# Altium PCB Discharge_B5.PcbDoc (part 1 of 2)
Units mm, origin at the board's own origin, x right, y up, seen from the top; angles counter-clockwise.
Board outline 173.11 x 82.3 mm, 4 copper layers (Top Layer, GND, PWR, Bottom Layer), stack 1.369 mm thick; 172 components, 113 nets, 558 pads, 339 vias.
Unrouted connection lines stored in the file: 8.
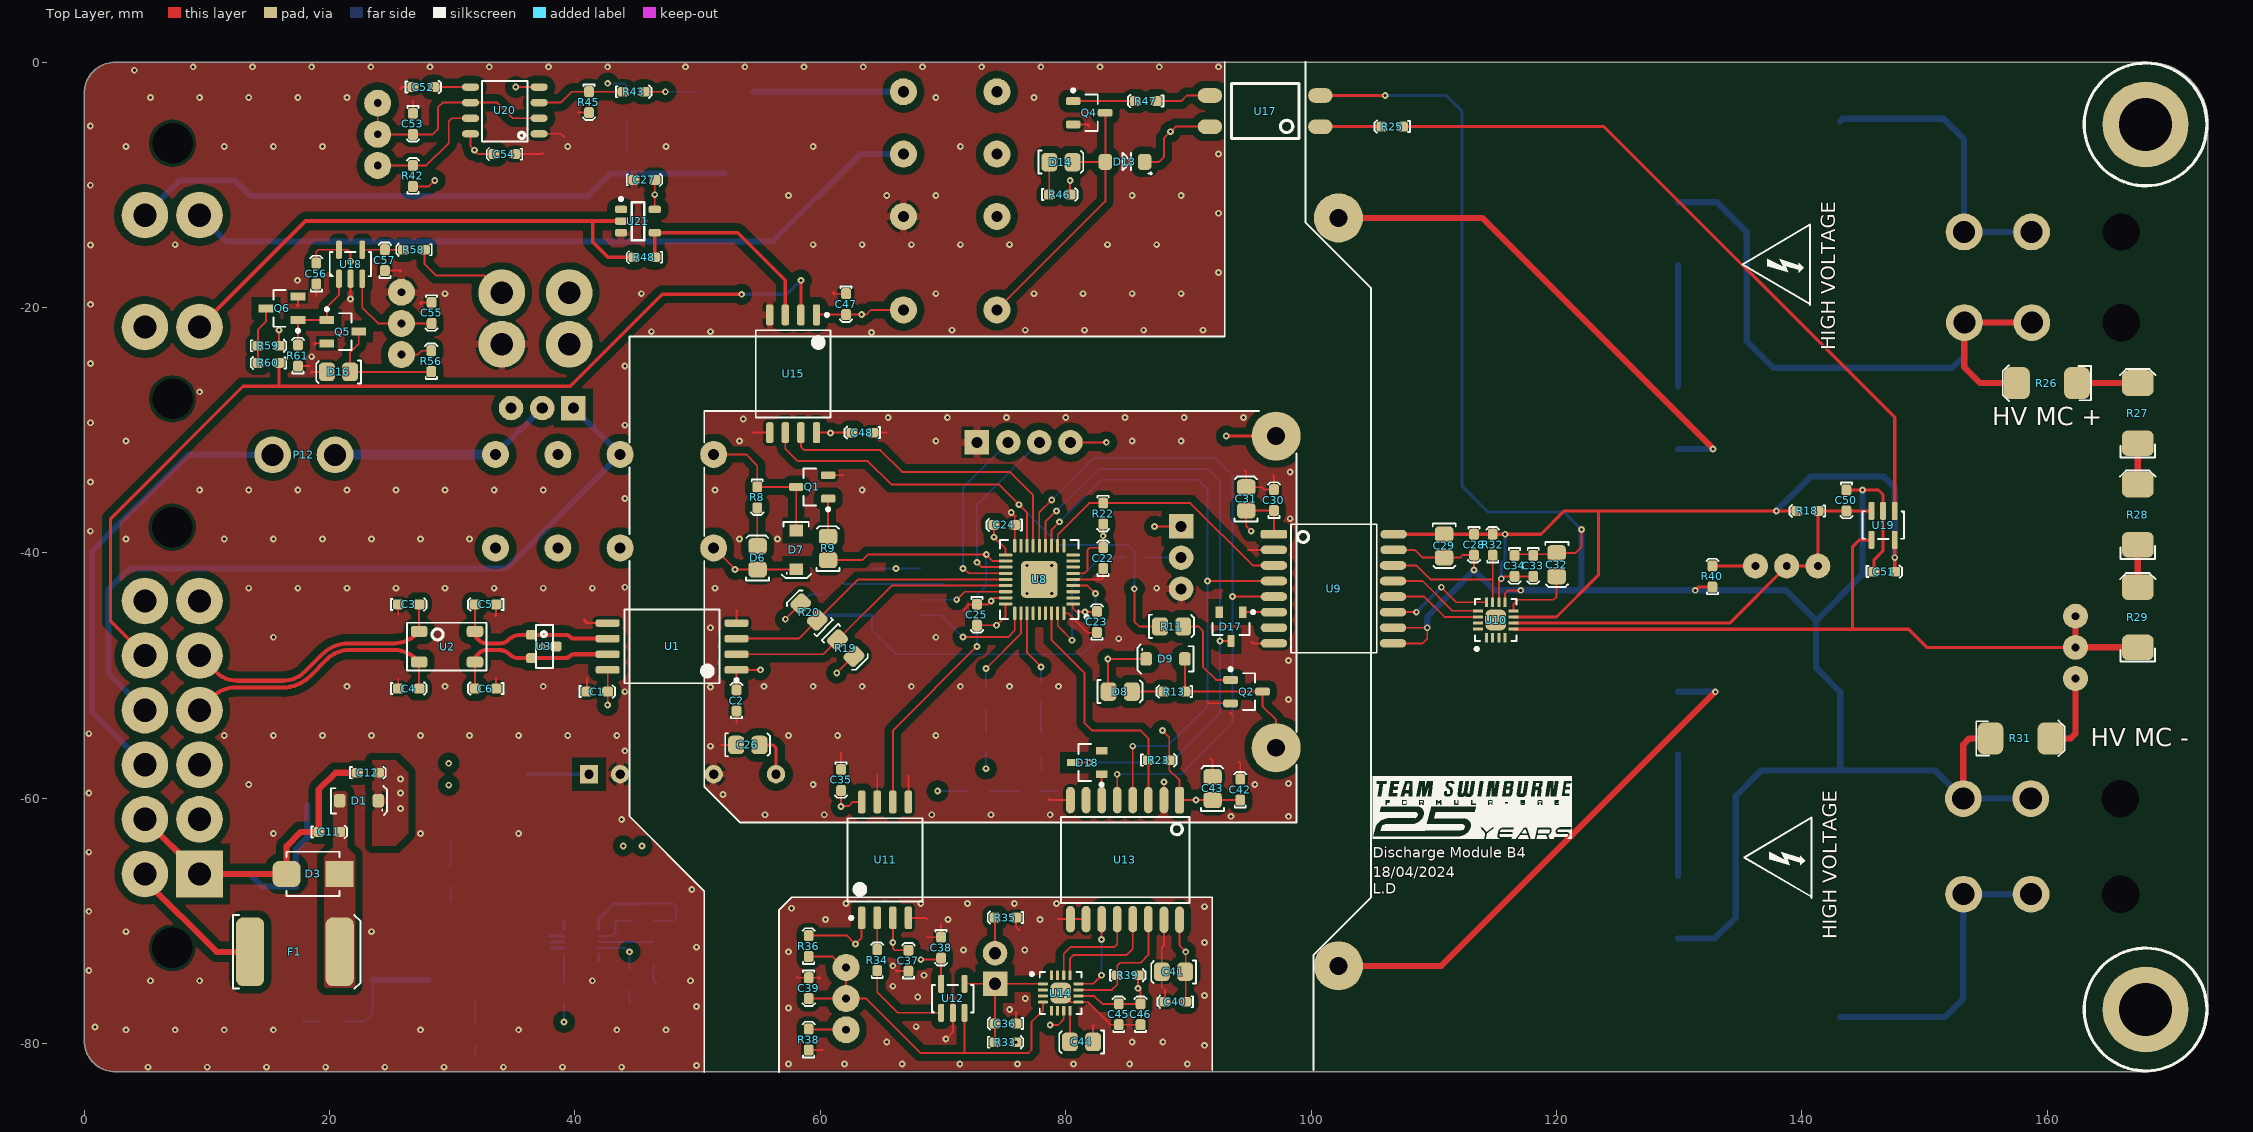
[diagram p0: Top Layer view]
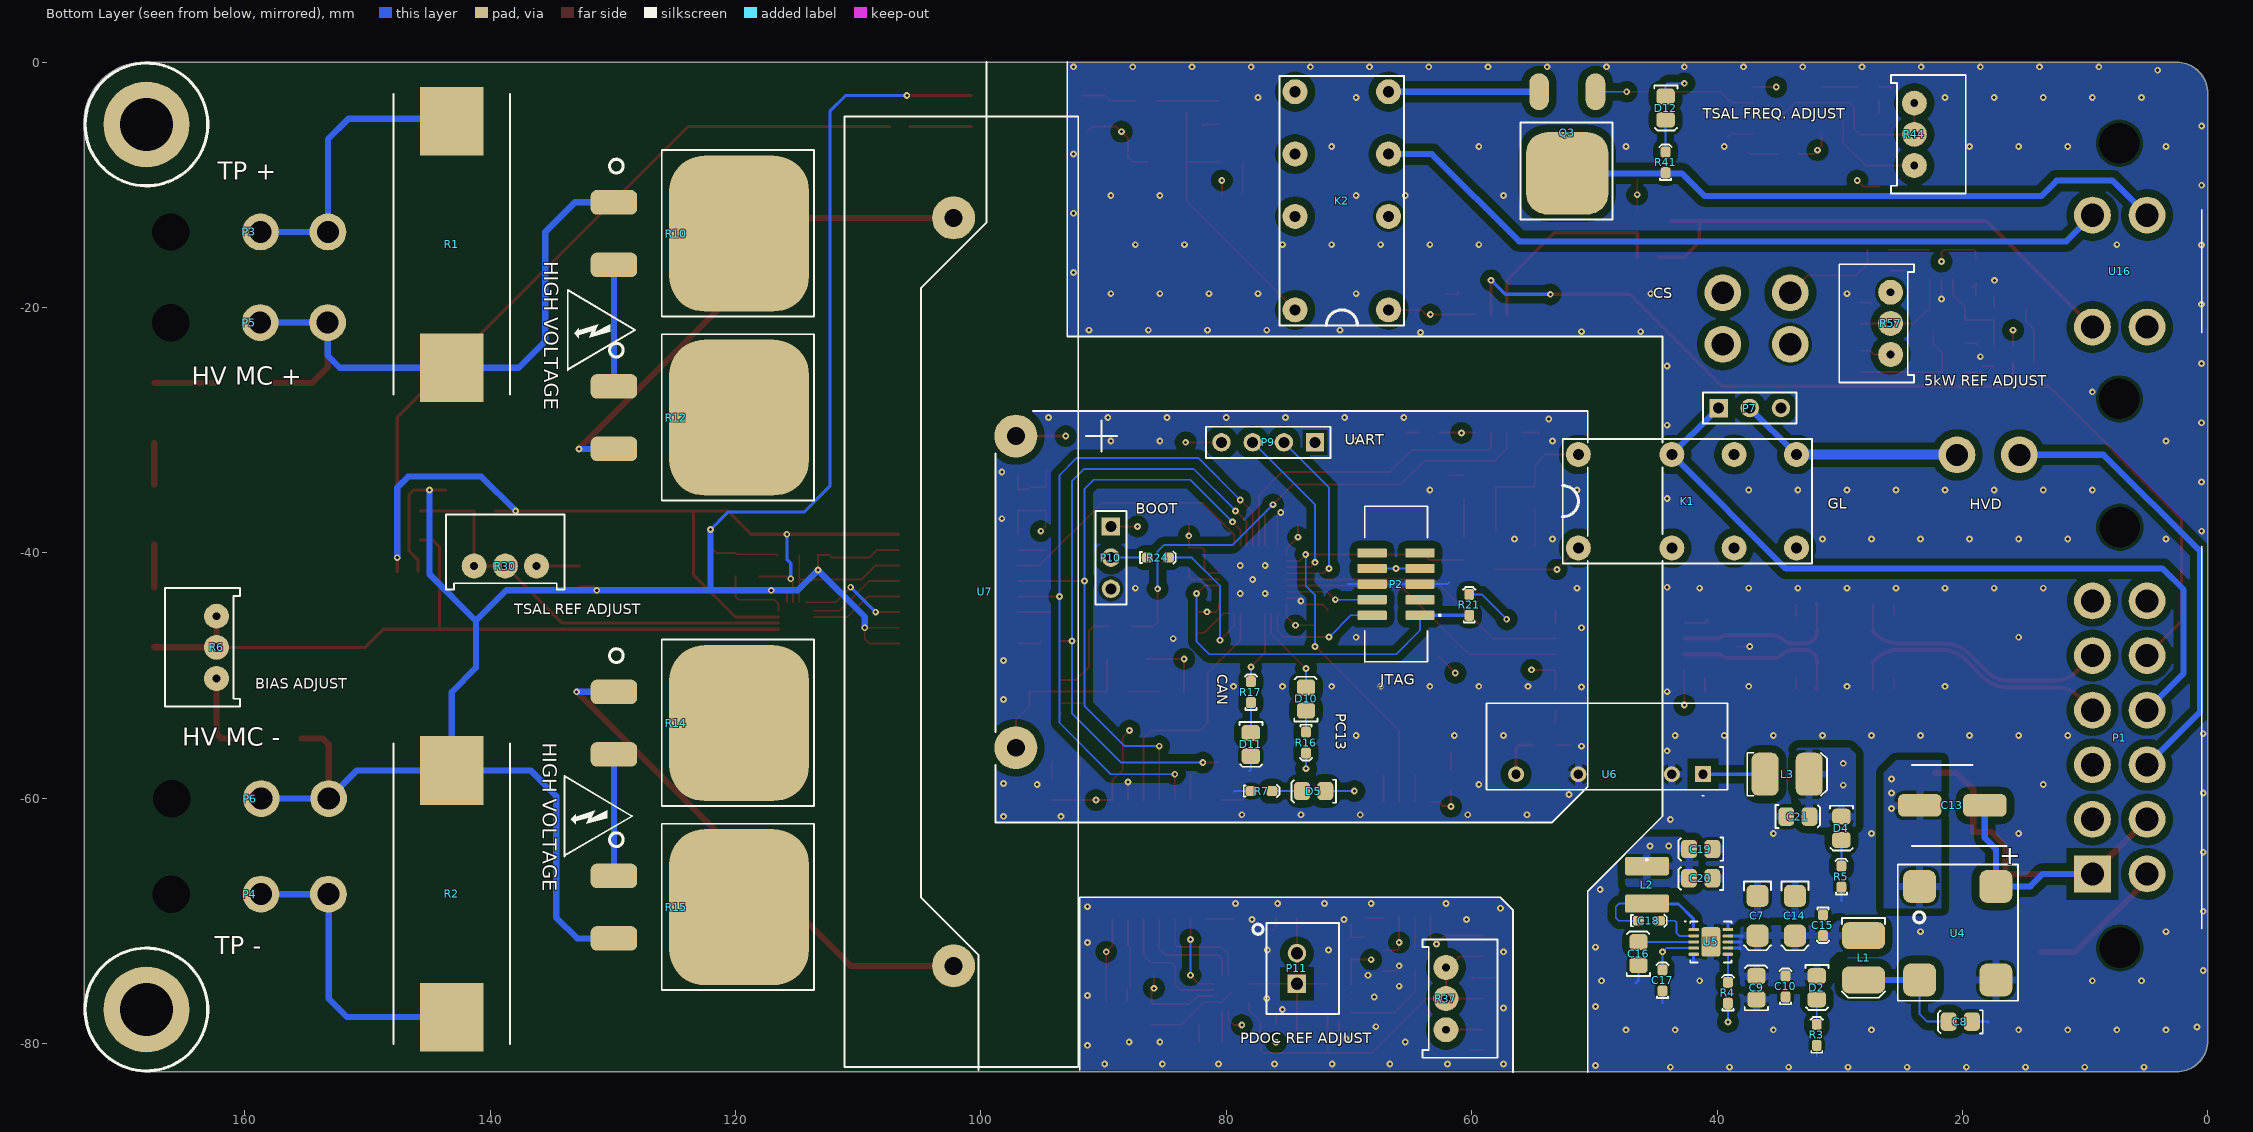
[diagram p1: Bottom Layer view, seen from below]
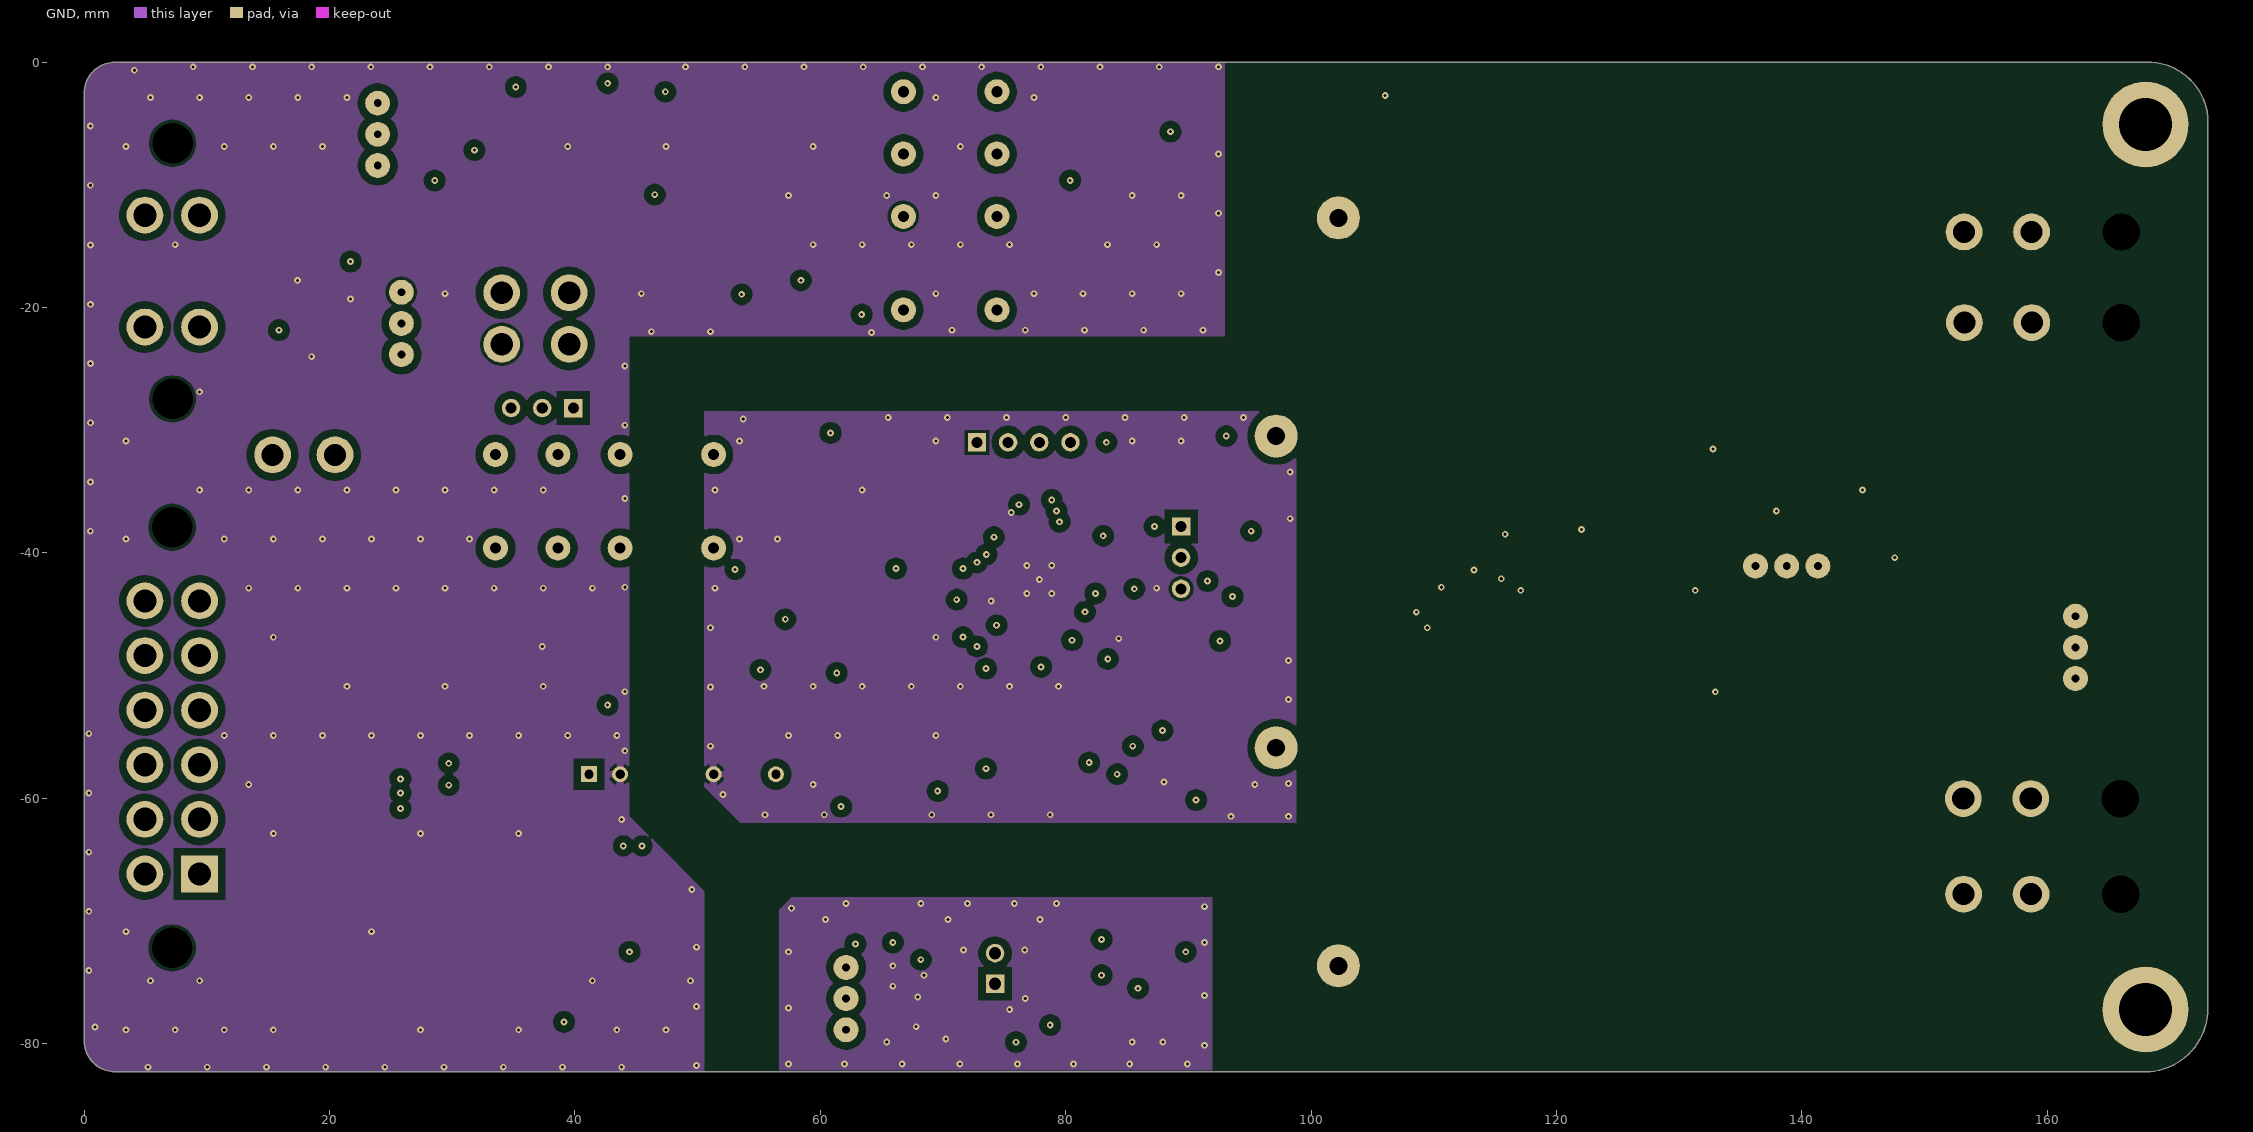
[diagram p2: GND]
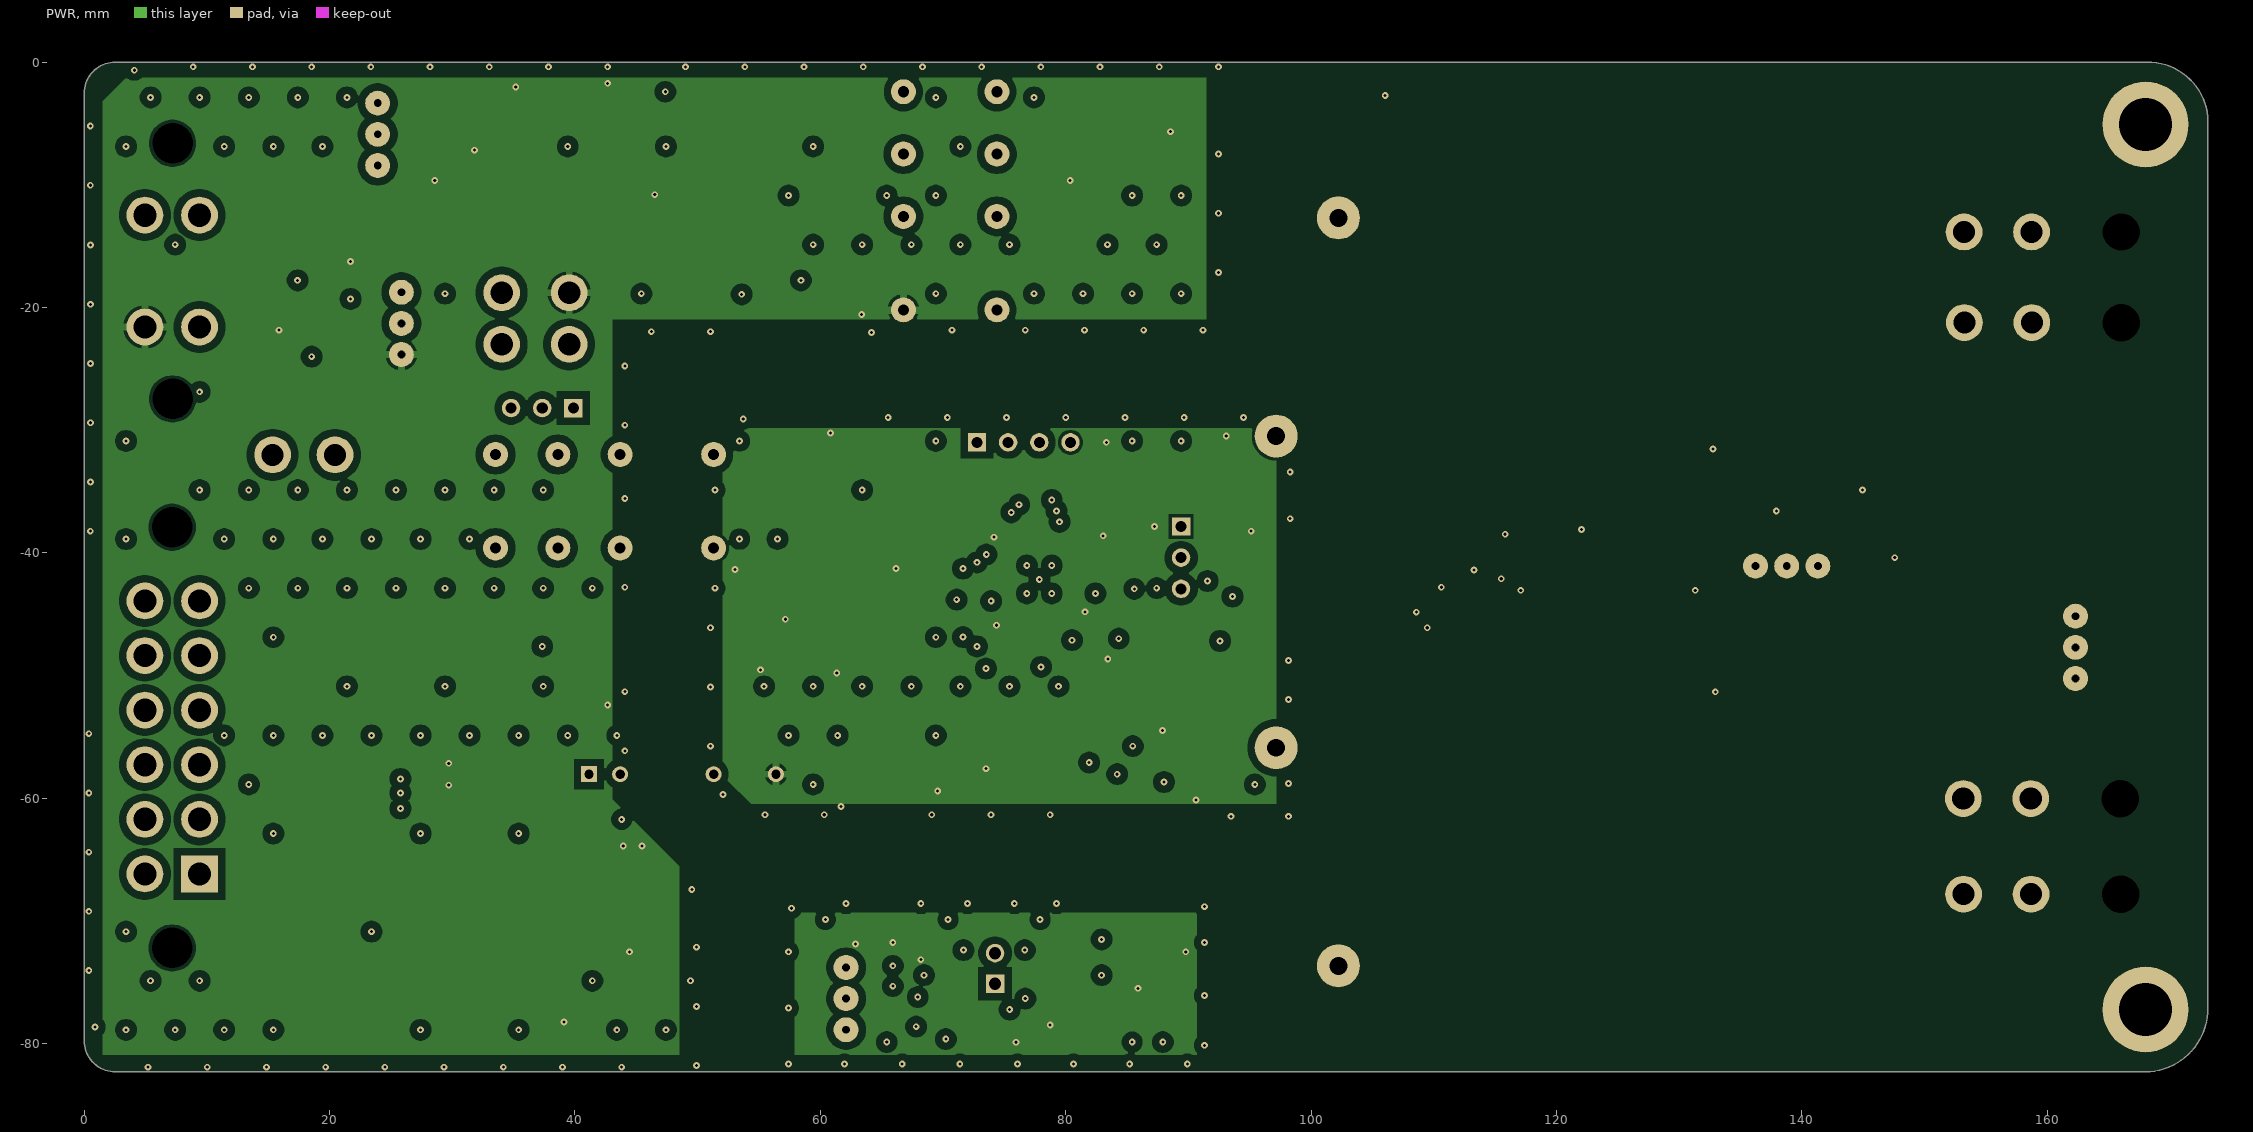
[diagram p3: PWR]
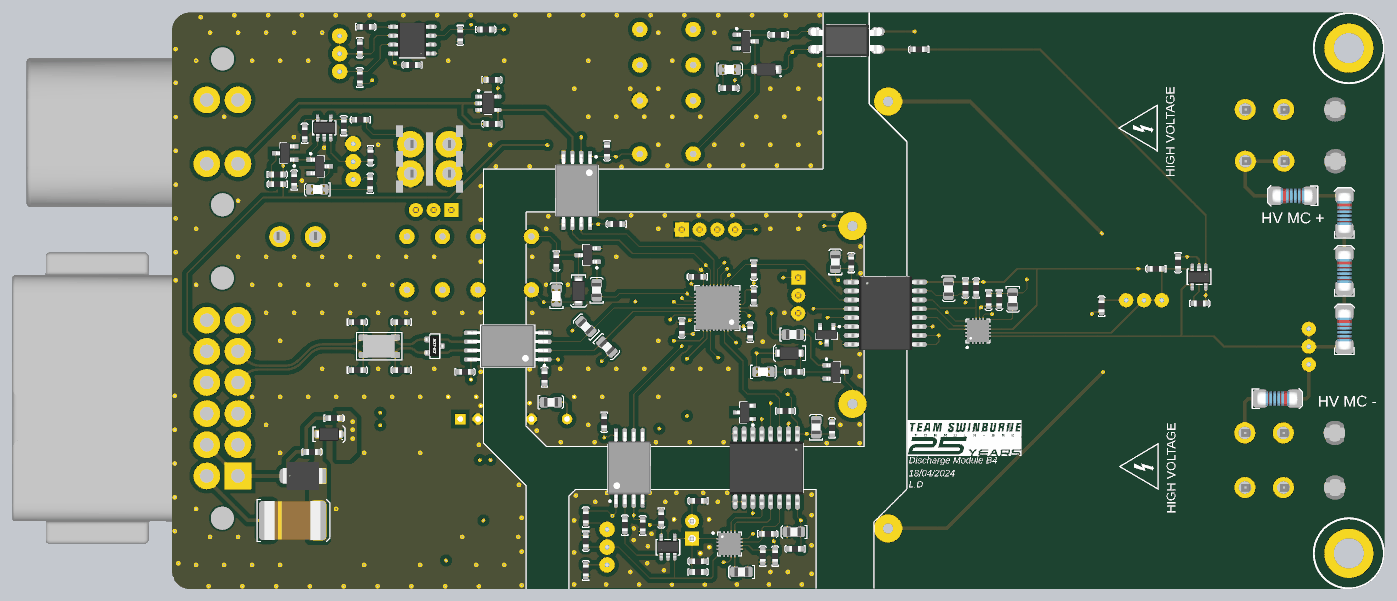
[diagram p5: 3D render of the assembled board from above, using the file's embedded part models]
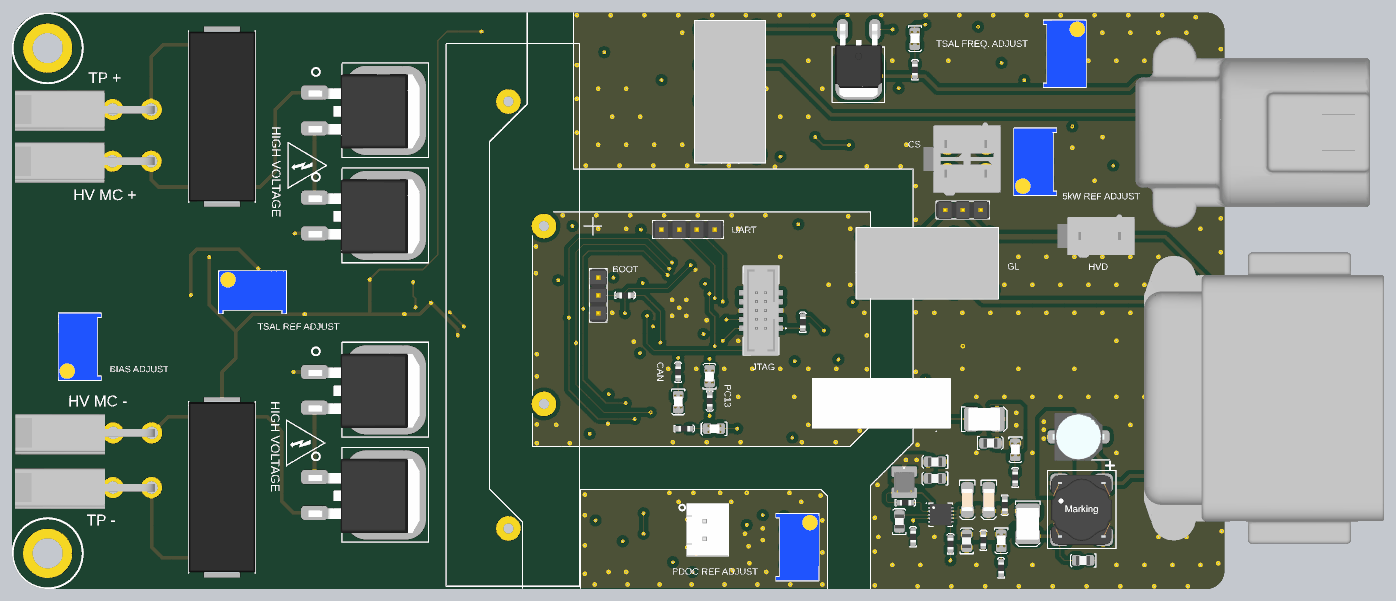
[diagram p6: 3D render of the assembled board from below, using the file's embedded part models]

## Layer stack, top to bottom
Top Solder: solder mask 0.0254, SM-001, Dk 4
Top Layer: signal copper 0.035
Dielectric 1: prepreg 0.1295, PP-017, Dk 4.3
Dielectric 2: prepreg 0.1295, PP-017, Dk 4.3
GND: signal copper 0.035
Dielectric 3: core 0.7112, Core-039, Dk 4.8
PWR: signal copper 0.035
Dielectric 4: prepreg 0.1295, PP-017, Dk 4.3
Dielectric 5: prepreg 0.1295, PP-017, Dk 4.3
Bottom Layer: signal copper 0.035
Bottom Solder: solder mask 0.0254, SM-001, Dk 4

## Board outline
-0.004,-79.746 ccw(c2.55,-79.746) 2.55,-82.3 5.209,-82.3 5.213,-82.296 160.655,-82.296 168.021,-82.296 ccw(c167.958,-77.152) 173.101,-77.089 173.101,-68.072 173.101,-4.826 ccw(c168.212,-4.889) 168.148,0 47.752,0 37.782,0 18.605,0 4.826,0 4.822,0.004 2.549,0.004 ccw(c2.549,-2.547) -0.003,-2.547 0,-4.953 0,-77.203 -0.004,-77.208

## Design rules (kind name [scope] priority, off if disabled: settings)
Clearance HV [InNetClass('HV')] p1: gap=0.254 ignorepadtopadclearanceinfootprint=TRUE except(0: Arc-Hole Track-Hole SMDPad-Hole THPad-Hole Via-Hole Fill-Hole Region-Hole Text-Hole; 0.152: Arc-SMDPad; 0.2: Arc-THPad THPad-Via; 0.203: Arc-Arc Arc-Track Arc-Region Track-Region THPad-Region Via-Region Fill-Region Poly-Region Region-Region; 0.6: Arc-Poly Fill-Poly Poly-Poly; 1.8: Track-Track Track-SMDPad Track-THPad Track-Via Track-Fill Track-Poly SMDPad-Via SMDPad-Fill SMDPad-Poly THPad-THPad)
Clearance [All] p2: gap=0.254 ignorepadtopadclearanceinfootprint=FALSE except(0: Arc-Hole Track-Hole SMDPad-Hole THPad-Hole Via-Hole Fill-Hole Region-Hole Text-Hole; 0.1: THPad-THPad; 0.152: Arc-SMDPad Track-SMDPad SMDPad-SMDPad; 0.2: Arc-THPad Track-THPad SMDPad-THPad THPad-Via; 0.203: Arc-Arc Arc-Track Arc-Region Track-Track Track-Region SMDPad-Region THPad-Region Via-Region Fill-Region Poly-Region Region-Region; 0.6: Arc-Poly Track-Poly SMDPad-Poly THPad-Poly Via-Poly Fill-Poly Poly-Poly)
DiffPairsRouting [All] p1: maxlimit=0.254 minlimit=0.22 mostfreqgap=0.254 toplayer_maxgap=0.22 toplayer_prefgap=0.22 toplayer_minwidth=0.33 toplayer_maxwidth=0.33 toplayer_prefwidth=0.33 midlayer1_mingap=0.254 midlayer1_minwidth=0.381 midlayer1_maxwidth=0.381 midlayer1_prefwidth=0.381 midlayer2_mingap=0.254 midlayer2_minwidth=0.381 midlayer2_maxwidth=0.381 midlayer2_prefwidth=0.381 bottomlayer_mingap=0.254 bottomlayer_minwidth=0.381 bottomlayer_maxwidth=0.381 bottomlayer_prefwidth=0.381 maxuncoupledlength=12.7
Height [All] p1: minheight=0 maxheight=50 prefheight=12.7
HoleSize [All] p1: absolutevalues=TRUE maxlimit=10 minlimit=0.025 maxpercent=80.000 minpercent=20.000
MinimumSolderMaskSliver [All] p1: minsoldermaskwidth=0
PlaneClearance [All] p1: clearance=0.4
PlaneConnect [All] p1: pad.planeconnectstyle=Relief pad.reliefexpansion=0.508 pad.reliefentries=4 pad.reliefconductorwidth=0.8 pad.reliefairgap=0.254 via.planeconnectstyle=Direct via.reliefexpansion=0.508 via.reliefentries=4 via.reliefconductorwidth=0.8 via.reliefairgap=0.254
PolygonConnect [All] p1: thpad.connectstyle=Relief thpad.reliefconductorwidth=0.6 thpad.reliefentries=4 thpad.polygonreliefangle="90 Angle" thpad.airgapwidth=0.254 smdpad.connectstyle=Relief smdpad.reliefconductorwidth=0.6 smdpad.reliefentries=4 smdpad.polygonreliefangle="90 Angle" smdpad.airgapwidth=0.254 via.connectstyle=Direct via.reliefconductorwidth=0.6 via.reliefentries=4 via.polygonreliefangle="90 Angle" via.airgapwidth=0.254
RoutingVias [All] p1: holewidth=0.25 width=0.5 viastyle="Through Hole" minholewidth=0.203 minwidth=0.254 maxholewidth=0.711 maxwidth=1.27
SilkToSilkClearance [All] p1: silktosilkclearance=0
SilkToSolderMaskClearance [IsPad] p1: minsilkscreentomaskgap=0 clearancetoexposedcopper=TRUE
SolderMaskExpansion [All] p1: expansion=0.051 istentingtop=FALSE
Width [All] p1: maxlimit=3 minlimit=0.127 preferedwidth=0.5 toplayer_prefwidth=0.254 bottomlayer_prefwidth=0.254 minimp=50.000000 maximp=50.000000 favimp=50.000000
22 further rules are at their usual default settings.

## Classes and differential pairs
component class TSAL: C52 C53 C54 D12 D13 D14 K2 Q3 Q4 R41 R42 R43 R44 R45 R46 R47 U20
component class TopLevel: 3 CS P1 P3 P4 P5 P6 P7 P12 R1 R2 U16
component class Isolation: C27 C47 C48 R48 U15 U21
component class "5kW Circuit": C55 C56 C57 D16 Q5 Q6 R56 R57 R58 R59 R60 R61 U18
component class "Safety Loop": D6 D7 K1 Q1 R8 R9
component class "Power Supply": C7 C8 C9 C10 C11 C12 C13 C14 C15 C16 C17 C18 C19 C20 C21 C26 D1 D2 D3 D4 D5 F1 L1 L2 L3 R3 R4 R5 R7 U4 U5 U6
component class PDOC: C35 C36 C37 C38 C39 C40 C41 C42 C43 C44 C45 C46 D18 P11 "PDOC NTC1" R33 R34 R35 R36 R37 R38 R39 U11 U12 U13 U14
component class Microcontroller: C22 C23 C24 C25 D10 D11 P2 P9 P10 R16 R17 R19 R20 R21 R22 R23 R24 U8
component class "HV SENSE": C28 C29 C30 C31 C32 C33 C34 C50 C51 D17 R6 R18 R25 R26 R27 R28 R29 R30 R31 R32 R40 U9 U10 U17 U19
component class Discharge: D8 D9 Q2 R10 R11 R12 R13 R14 R15 U7
component class CAN: C1 C2 C3 C4 C5 C6 TP1 TP2 U1 U2 U3
differential pair CAN1_F: +CAN1_F_P -CAN1_F_N
differential pair CAN1: +CAN1_P -CAN1_N

## Components (designator, comment, footprint, x,y, rotation, side; value= is the part's Value field where it differs from the comment)
C1 "100nF" 0603 40.972,-51.308 r0 top
C2 "100nF" 0603 53.172,-52.881 r90 top
C3 "100pF" 0603 25.605,-44.196 r0 top
C4 "100pF" 0603 25.605,-51.054 r0 top
C5 "100pF" 0603 33.577,-44.196 r180 top
C6 "100pF" 0603 33.577,-51.054 r180 top
C7 "4.7uF" "1206 CAP" 36.708,-70.763 r270 bottom
C8 "10uF" 0805 20.193,-78.232 r0 bottom
C9 "10uF" 0805 36.814,-75.424 r90 bottom
C10 "100nF" 0603 34.417,-76.186 r90 bottom
C11 "100nF" 0603 19.128,-62.738 r0 top
C12 "100nF" 0603 22.278,-57.912 r0 top
C13 "47uF" "CHEMI-CON ELCO" 20.828,-60.579 r0 bottom
C14 "4.7uF" "1206 CAP" 33.655,-70.763 r270 bottom
C15 "100nF" 0603 31.369,-69.503 r270 bottom
C16 "1µF" 0805 46.43,-72.649 r90 bottom
C17 "10nF" 0603 44.45,-75.692 r90 bottom
C18 "100nF" 0603 46.404,-69.977 r180 bottom
C19 "10uF" 0805 41.348,-64.161 r0 bottom
C20 "10uF" 0805 41.353,-66.54 r0 bottom
C21 "10uF" 0805 33.401,-61.468 r180 bottom
C22 "100nF" 0603 83.058,-41.275 r90 top
C23 "100nF" 0603 82.55,-46.482 r90 top
C24 "100nF" 0603 75.851,-37.719 r180 top
C25 "100nF" 0603 72.771,-44.196 r270 top
C26 "10uF" 0805 54.102,-55.626 r0 top
C27 "100nF" 0603 44.811,-9.601 r0 top
C28 "100nF" 0603 113.284,-38.481 r270 top
C29 "10uF" 0805 110.871,-39.443 r270 top
C30 "100nF" 0603 96.977,-36.546 r90 top
C31 "10uF" 0805 94.691,-35.584 r90 top
C32 "1µF" 0805 120.041,-40.972 r270 top
C33 "100nF" 0603 118.11,-40.21 r270 top
C34 "100nF" 0603 116.586,-40.21 r270 top
C35 "100nF" 0603 61.696,-57.658 r270 top
C36 "100nF" 0603 75.946,-78.359 r180 top
C37 "100nF" 0603 67.183,-74.09 r90 top
C38 "100nF" 0603 69.85,-71.325 r270 top
C39 "100nF" 0603 59.055,-74.627 r270 top
C40 "100nF" 0603 89.789,-76.581 r180 top
C41 "10uF" 0805 88.773,-74.168 r180 top
C42 "100nF" 0603 94.234,-60.147 r90 top
C43 "10uF" 0805 91.948,-59.185 r90 top
C44 "1µF" 0805 81.28,-79.883 r180 top
C45 "100nF" 0603 84.328,-78.457 r90 top
C46 "100nF" 0603 86.106,-78.457 r90 top
C47 "100nF" 0603 62.103,-18.874 r270 top
C48 "100nF" 0603 64.282,-30.2 r180 top
C50 "100nF" 0603 143.637,-34.876 r270 top
C51 "100nF" 0603 145.874,-41.529 r0 top
C52 "100nF" 0603 26.797,-2.032 r0 top
C53 "22pF" 0603 26.797,-4.183 r270 top
C54 "100nF" 0603 35.101,-7.493 r180 top
C55 "100nF" 0603 28.321,-19.595 r270 top
C56 "100nF" 0603 18.923,-18.083 r90 top
C57 "10nF" 0603 24.511,-16.991 r90 top